# Altium PCB FD-KL-ASM-SUB-PCBA-MAIN.PcbDoc (part 4 of 4)
Units mm, origin at the board's own origin, x right, y up, seen from the top; angles counter-clockwise.
Board outline 32.6 x 105.94 mm, 4 copper layers (L1, L2, L3, L4), stack 1.514 mm thick; 339 components, 165 nets, 967 pads, 530 vias.
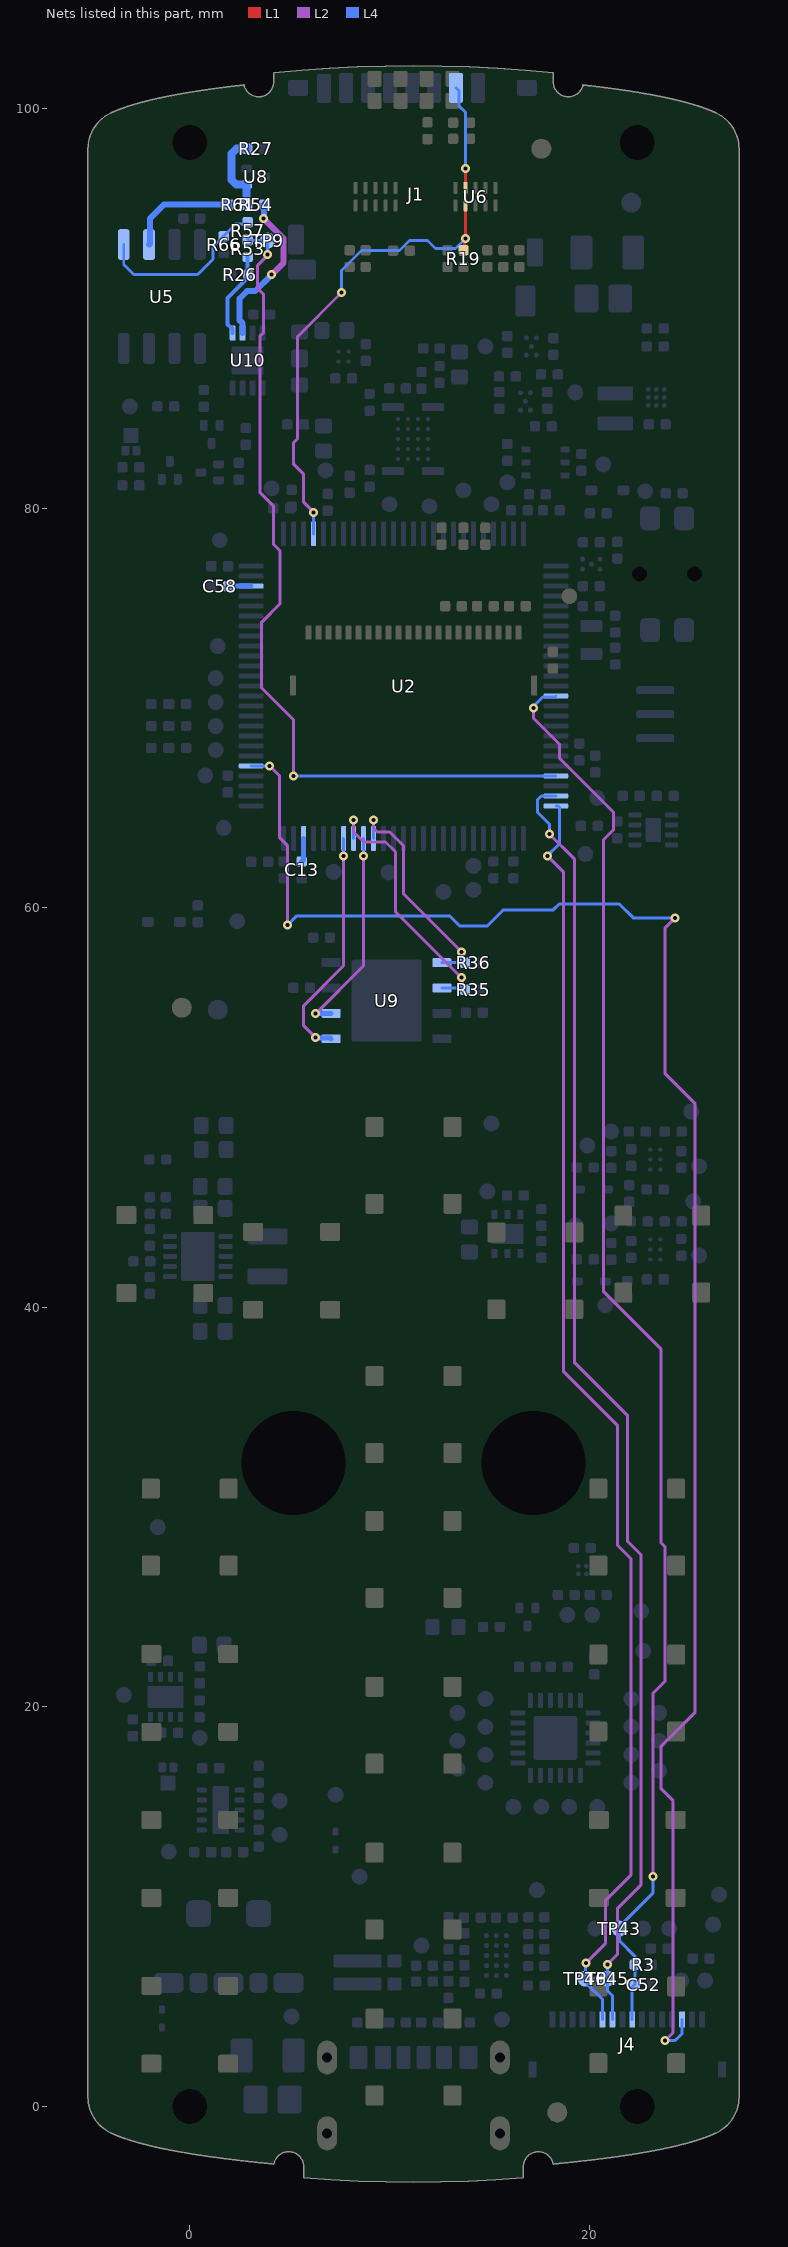
[diagram p6: the nets of this part, all layers, seen from the top]

## Via types
v1: diameter 0.45, hole 0.2, L1 to L4, tented both sides, 530 vias

## Nets (pads, with @x,y where several pads share a name; then routed paths per layer and width w, separated by ;. In a path a pad name is that pad's centre, name@x,y a point inside that pad or via, vN(x,y) a via of type N, cw(c..) or ccw(c..) an arc to the next point about the centre after c; other vN are vias at no path point) (continued)
SD_D3: J1.2 R19.2 U2.79 U6.4 U6.7 | length 30.1
  L1 w0.15: R19.2@13.7,92.92 13.75,92.97 13.75,93.45 v1(13.8,93.5) U6.7@13.8,95.16 U6.4@13.8,96.04 v1(13.8,97)
  L2 w0.15: v1(6.2,79.8) 5.7,80.3 5.7,81.7 5.2,82.2 5.2,83.293 5.4,83.493 5.4,88.6 v1(7.6,90.8)
  L4 w0.15: U2.79@6.2,78.725 v1(6.2,79.8) ; v1(7.6,90.8) 7.6,91.9 8.6,92.9 10.5,92.9 11,93.4 11.9,93.4 12.3,93 13.3,93 v1(13.8,93.5) ; J1.2@13.325,101.05 13.489,100.886 13.489,100.131 13.8,99.819 v1(13.8,97)
SE_GPIO: R27.1 R54.1 R61.1 U8.1 | length 4.1
  L4 w0.4: R61.1@2.82,95.2 2.835,95.215 U8.1@2.835,96.2 ; U8.1@2.85,96.2 2.334,96.2 2.1,96.434 2.1,97.766 2.334,98 R27.1@2.88,98
SE_GPIO_SOIC: R61.2 U5.6 | length 5.9
  L4 w0.3: U5.6@-2.035,93.2 -2,93.235 -2,94.5 -1.3,95.2 R61.2@2.08,95.2 ; R61.2@1.98,95.2 R61.2@2.18,95.2
SE_GPIO_UDFN: R54.2 U10.6 | length 8.1
  L2 w0.3: v1(3.7,94.5) 4.7,93.5 4.7,92.3 v1(4.1,91.7)
  L4 w0.3: U10.6@2.65,88.77 2.65,89.255 2.5,89.405 2.5,90.5 2.865,90.865 3.265,90.865 v1(4.1,91.7) ; v1(3.7,94.5) 3.71,94.51 3.71,95.19 R54.2@3.72,95.2
SE_SWD: R53.2 R57.2 TP9.1 U2.22 | length 42.9
  L2 w0.15: v1(3.9,92.7) 3.9,92.664 3.4,92.164 3.4,91 3.7,90.7 3.7,88.8 3.507,88.607 3.507,80.8 4.2,80.107 4.2,78.184 4.516,77.868 4.516,75.216 3.6,74.3 3.6,71 5.2,69.4 v1(5.2,66.6)
  L4 w0.15: R53.2@2.94,93.44 R57.2@2.9,93.48 2.98,93.4 TP9.1@3.9,93.4 v1(3.9,92.7) ; v1(5.2,66.6) U2.22@18.325,66.6
SE_SWD_DBG: J4.3 U2.55 | length 89.6
  L2 w0.15: v1(4,67.1) 4.5,66.6 4.5,63.502 4.9,63.102 v1(4.9,59.141) ; v1(23.8,3.3) 24.2,3.7 24.2,15.3 23.6,15.9 23.6,18.035 25.3,19.735 25.3,50.19 23.8,51.69 23.8,59 v1(24.3,59.5)
  L4 w0.15: U2.55@3.075,67.1 v1(4,67.1) ; v1(4.9,59.141) 5.359,59.6 13,59.6 13.5,59.1 14.9,59.1 15.7,59.9 18.2,59.9 18.496,60.196 21.504,60.196 22.2,59.5 v1(24.3,59.5) ; v1(23.8,3.3) 24.3,3.3 24.65,3.65 J4.3@24.65,4.35
SE_SWD_SOIC: R57.1 R66.1 U5.5 | length 8.8
  L4 w0.15: U5.5@-3.305,93.2 -3.305,92.205 -2.8,91.7 0.393,91.7 1.165,92.472 1.165,93.093 1.692,93.62 R66.1@1.7,93.62 ; R66.1@1.672,93.6 2.292,94.22 R57.1@2.892,94.22
SE_SWD_UDFN: R26.1 R53.1 U10.5 | length 4.4
  L4 w0.2: U10.5@2.15,88.77 2.15,88.995 2.1,89.045 2.055,89.045 1.9,89.2 1.9,90.536 2.77,91.407 2.77,91.53 R26.1@2.928,91.688 2.9,91.716 R53.1@2.9,92.58
SPI4_MISO: R35.1 U2.43 U9.2 | length 13.5
  L2 w0.15: v1(8.2,64.4) 8.2,63.808 8.708,63.3 9.8,63.3 10.3,62.8 10.3,59.8 v1(13.6,56.5)
  L4 w0.15: U2.43@8.2,63.475 v1(8.2,64.4) ; U9.2@12.62,55.985 13.695,55.985 13.739,55.941 R35.1@13.78,55.9 ; v1(13.6,56.5) 13.6,56.419 13.665,56.354 13.665,56.075 R35.1@13.748,55.992
SPI4_MOSI: U2.44 U9.5 | length 11.9
  L2 w0.15: v1(6.3,53.5) 5.7,54.1 5.7,55.1 7.7,57.1 v1(7.7,62.6)
  L4 w0.15: v1(7.7,62.6) U2.44@7.7,63.475
  L4 w0.25: v1(6.3,53.5) 6.328,53.472 7.053,53.472 U9.5@7.08,53.445
SPI4_NSS: R36.1 U2.41 U9.1 | length 11.5
  L2 w0.15: v1(9.2,64.4) 9.2,64 9.4,63.8 10.006,63.8 10.7,63.106 10.7,60.7 v1(13.6,57.8)
  L4 w0.15: U2.41@9.2,63.475 v1(9.2,64.4) ; U9.1@12.62,57.255 12.623,57.252 13.778,57.252 R36.1@13.78,57.25 13.657,57.373 13.657,57.743 v1(13.6,57.8)
SPI4_SCK: U2.42 U9.6 | length 10.6
  L2 w0.15: v1(6.3,54.7) 8.7,57.1 v1(8.7,62.6)
  L4 w0.15: v1(8.7,62.6) U2.42@8.7,63.475
  L4 w0.25: v1(6.3,54.7) 6.315,54.715 U9.6@7.08,54.715
SYS_RST#: C52.1 J4.8 R3.1 TP43.1 U2.14 | length 71.6
  L2 w0.15: v1(17.2,70) 17.2,69.5 18.5,68.2 18.5,67.5 21.2,64.8 21.2,63.9 20.7,63.4 20.7,40.8 23.6,37.9 23.6,28.2 23.8,28 23.8,21.293 23.2,20.693 v1(23.2,11.5)
  L4 w0.15: v1(17.2,70) 17.2,70.077 17.673,70.55 18.275,70.55 U2.14@18.325,70.6 ; J4.8@22.15,4.35 22.15,5.97 C52.1@22.28,6.1 R3.1@22.28,7.1 22.28,7.52 21.5,8.3 21.5,8.895 21.447,8.947 23.2,10.7 v1(23.2,11.5)
USART2_RX: J4.11 TP46.1 U2.25 | length 64.2
  L2 w0.15: v1(17.9,62.6) 18.7,61.8 18.7,36.8 21.4,34.1 21.4,28.1 22.1,27.4 22.1,11.6 20.8,10.3 20.8,8.144 v1(19.828,7.172)
  L4 w0.15: v1(17.9,62.6) 18.5,63.2 18.5,65.05 18.45,65.1 U2.25@18.325,65.1 ; v1(19.828,7.172) 19.814,7.158 19.814,6.238 19.8,6.224 20.004,6.02 20.65,5.374 J4.11@20.65,4.35
USART2_TX: J4.10 TP45.1 U2.24 | length 65.1
  L2 w0.15: v1(18,63.7) 19.25,62.45 19.25,37.25 21.9,34.6 21.9,28.3 22.6,27.6 22.6,11.1 21.4,9.9 21.4,7.6 v1(20.9,7.1)
  L4 w0.15: v1(18,63.7) 18,64.2 17.4,64.8 17.4,65.4 17.597,65.597 18.322,65.597 U2.24@18.325,65.6 ; TP45.1@20.9,6.4 20.9,5.8 21.15,5.55 J4.10@21.15,4.35 ; v1(20.9,7.1) 20.9,6.5 TP45.1@21,6.4
VCAP1: C13.1 U2.48 | length 1.2
  L4 w0.25: C13.1@5.6,62.32 5.7,62.42 U2.48@5.7,63.475
VCAP2: C58.1 U2.73 | length 1.2
  L4 w0.25: C58.1@1.92,76.1 U2.73@3.075,76.1
pads on no net: FID1.0 FID2.0 FID3.0 FID4.0 FID5.0 FID6.0 J2.4 J2.5 J2.7 J2.8 J2.16 J3.2 J3.4 J3.5 J3.6 J3.7 J4.12 SW1.3 SW2.4 SW3.4 SW4.4 SW5.4 SW6.4 SW7.4 SW8.4 SW9.4 SW10.4 SW11.4 SW12.4 SW13.4 SW14.4 SW15.4 SW16.3 SW17.4 SW18.4 SW19.5 SW19.6 U2.7 U2.17 U2.18 U2.32 U2.33 U2.52 U2.53 U2.68 U2.69 U2.70 U2.71 U2.81 U2.82 U2.85 U2.86 U2.87 U2.88 U5.1 U5.2 U5.3 U5.7 U7.5 U7.6 U10.1 U10.2 U10.3 U10.7 U12.2 U27.B2 U32.1 U32.3
copper on no net: | length 45.9
  L4 w0.2: 16.859,55.653 ccw(c20.402,55.68) 16.876,55.335 ccw(c20.437,55.684) 16.913,55.067 ccw(c20.473,55.69) 16.961,54.836 ccw(c20.508,55.698) 17.016,54.633 ccw(c20.544,55.709) 17.077,54.451 19.771,59.117 ccw(c20.416,55.485) 19.595,59.082 ccw(c20.408,55.52) 19.386,59.027 ccw(c20.397,55.555) 19.156,58.952 ccw(c20.385,55.589) 18.902,58.848 ccw(c20.37,55.622) 18.613,58.7 ccw(c20.331,55.683) 17.324,57.419 ccw(c20.326,55.685) 16.88,56.061 ccw(c20.366,55.68) 16.859,55.653 ; 17.665,53.434 ccw(c20.49,55.81) 17.791,53.292 ccw(c20.463,55.785) 17.938,53.143 ccw(c20.438,55.759) 18.114,52.986 ccw(c20.414,55.731) 18.328,52.819 ccw(c20.393,55.701) 18.593,52.647 ccw(c20.359,55.636) 20.359,52.164 ccw(c20.36,55.63) 21.76,52.46 ccw(c20.343,55.67) 22.113,52.64 ccw(c20.326,55.701) 22.38,52.812 ccw(c20.305,55.73) 22.595,52.978 ccw(c20.282,55.758) 22.774,53.137 ccw(c20.257,55.784) 22.924,53.288 ccw(c20.23,55.81) 23.054,53.434 17.665,53.434 ; 17.728,54.153 20.11,58.279 20.11,54.153 17.728,54.153 ; 20.947,59.117 cw(c20.303,55.486) 21.139,59.078 cw(c20.312,55.522) 21.345,59.024 cw(c20.322,55.557) 21.575,58.948 cw(c20.334,55.591) 21.828,58.843 cw(c20.349,55.623) 22.114,58.695 cw(c20.367,55.654) 22.45,58.476 cw(c20.393,55.688) 23.394,57.419 cw(c20.388,55.683) 23.859,55.632 cw(c20.314,55.68) 23.841,55.317 cw(c20.278,55.684) 23.803,55.051 cw(c20.242,55.69) 23.754,54.82 cw(c20.206,55.699) 23.698,54.618 cw(c20.172,55.71) 23.641,54.451 20.947,59.117

## Polygon pours and split planes (outlines as drawn)
+VBAT on L4 "+VBAT_L04_P000" (solid, pour order 0): 9.6,19.8 11.9,17.5 11.9,15.8 14.9,12.8 14.9,9.2 14.3,9.2 14.3,10.375 12.2,10.375 12.2,11 9.8,11 9.8,15.1 7,17.9 0.9,17.9 0.9,15.7 0.3,15.7 0.3,16.7 -1,16.7 -1,18.1 -0.9,18.2 -0.9,18.9 -0.6,19.2 -0.6,19.8
+2V8 on L4 "+2V8_L04_P066" (solid, pour order 66): 7.8,87.5 7.8,87.2 8.3,87.2 9,87.2 9,87.6 8.4,87.6 8.3,87.5
+2V8_CAM_DVDD_FET on L4 "+2V8_CAM_DVDD_FET_L04_P065" (solid, pour order 65): 7.5,87.112 7.6,87.212 7.6,87.5 7.3,87.5 7.2,87.4 7,87.4 7,86.5 7.5,86.5
PS_3V0_FB on L4 "PS_3V0_FB_L04_P064" (solid, pour order 64): -1.6,43.6 -1.4,43.4 -0.9,43.4 -0.9,45 -2.4,45 -2.4,43.6
GND on L4 "GND_L04_P036" (solid, pour order 36): 4.8,87.6 3.9,86.7 1.3,86.7 1.3,88.1 4.8,88.1
GND on L4 "GND_L04_P063" (solid, pour order 63): 12,87.5 12,88.3 9.7,88.3 9.7,87.206 8.7,86.206 8.7,85.3 9.629,85.3 9.629,85 10.8,85 10.8,85.5 10.3,85.5 10.3,86.5 11.9,86.5 11.9,86.8 12.8,86.8 12.8,87.5
+DCMI_DOVDD on L4 "+DCMI_DOVDD_L04_P061" (solid, pour order 61): 6.3,83.3 7.2,83.3 7.3,83.2 7.3,82.9 8,82.2 9.4,82.2 9.4,81.8 9.2,81.6 8.7,81.6 8.4,81.3 6.3,81.3
GND_EARTH_SD on L4 "GND_EARTH_SD_L04_P056" (solid, pour order 56): 16.2,101.217 17.483,101.217 20.5,98.2 20.5,89.7 17.9,89.7 17.9,91.9 17.1,91.9 17.1,97.1 16.2,98
PS_3V0_L1 on L4 "PS_3V0_L1" (solid, pour order 55): 1.4,41.9 1.4,42.2 2.2,42.2 2.4,42.4 5.1,42.4 5.1,41.1 2.9,41.1 2.9,41.4 2.4,41.9 2.1,41.9
PS_3V0_L2 on L4 "PS_3V0_L2_L04_P054" (solid, pour order 54): 1.4,43.2 1.4,42.9 2.2,42.9 2.4,42.7 5.1,42.7 5.1,44 2.9,44 2.9,43.7 2.4,43.2 2.1,43.2
NOISE_FB on L4 "NOISE_FB_L04_P050" (solid, pour order 50): 16.4,42.9 16.7,42.9 16.8,42.8 18.2,42.8 18.2,44.7 18.7,45.2 18.7,47.3 19.7,47.3 19.7,46.3 20.298,45.702 20.298,43.398 19.7,42.8 19.7,41 16.4,41
GND on L4 "GND_L04_P049" (solid, pour order 49): 1.4,1.8 -4.9,1.8 -4.9,4.3 -4.8,4.2 3.908,4.2 3.908,-0.6 1.4,-0.6
GND_EARTH_USB on L4 "GND_EARTH_USB_L04_P048" (solid, pour order 48): 4.4,-0.6 6.3,-2.5 7.6,-2.5 7.6,0 7.1,0 7.1,1.5 7.4,1.8 7.4,3.5 4.4,3.5
GND on L4 "GND_L04_P046" (solid, pour order 46): 23.5,83.9 23.5,84.8 23.6,84.9 23.6,86 23.8,86.2 23.8,87.525 23.428,87.897 23.428,89.4 24.905,89.4 24.905,83.9
+2V8 on L4 "+2V8_L04_P045" (solid, pour order 45): 24,82.2 24,83.7 23.3,83.7 23.3,84.8 23.5,85 23.5,85.3 22.8,85.3 22.1,84.6 20.405,84.6 20.405,83.595 21.8,82.2
PS_5V0_L on L4 "PS_5V0_L_L04_P044" (solid, pour order 44): 22.2,85.4 22.2,86.5 22,86.7 20.1,86.7 20.1,85.4
+5V0 on L4 "+5V0_L04_P043" (solid, pour order 43): 23.198,88.6 23.2,88.602 23.2,89.4 17.9,89.4 17.9,88.2 18.7,88.2 18.7,85.5 19,85.2 19,84.6 19.9,84.6 19.9,86.9 22.1,86.9 22.4,86.6 22.4,85.4 23.1,85.4 23.1,86 22.9,86.2 22.9,87.6 23.198,87.898
GND on L4 "GND_L04_P040" (solid, pour order 40): 20.9,89.7 22.8,89.7 23.4,90.3 23.4,94.1 20.9,94.1
+2V8 on L4 "+2V8_L04_P035" (solid, pour order 35): 11.5,99.5 11.5,99.1 12.2,98.4 12.2,98.2 13,98.2 13,99.4 11.7,100.7 11.7,101.8 10.7,101.8 10.7,100.3
GND on L4 "GND_L04_P034" (solid, pour order 34): 8.5,101.8 9.3,101.8 9.3,99.7 9.3,99.3 8.3,99.3 8.3,99.7 8.5,99.9
GND on L4 "GND_L04_P032" (solid, pour order 32): 21.9,63.8 21.9,63.1 22.4,62.6 24.5,62.6 24.5,63.3 23.8,63.3 23.6,63.5 23.6,65.2 23.7,65.3 23.7,66.5 22.2,66.5 22.2,65.3 22.8,65.3 22.8,63.8
+2V8 on L4 "+2V8_L04_P031" (solid, pour order 31): 23.8,64.5 25.1,64.5 25.1,65.7 24.9,65.9 23.9,65.9 23.9,65.1 23.8,65
+VBUS on L4 "+VBUS_L04_P028" (solid, pour order 28): -1.7,46.9 -1.7,57.1 -1.2,57.6 -1.2,59.8 -0.3,60.7 -0.3,67.3 -2.505,67.3 -2.505,80.005 -3.1,80.6 -3.1,83.1 -4.8,83.1 -4.8,41.5 -3.4,41.5 -3.4,43.7 -2.7,44.4 -2.7,46.9
NOISE_LX on L4 "NOISE_LX_L04_P025" (solid, pour order 25): 13.5,42.3 15.4,42.3 15.4,43 14.6,43 14.4,43.2 13.5,43.2
GND on L4 "GND_L04_P024" (solid, pour order 24): 16.8,44.2 17,44.4 17.9,44.4 17.9,43 16.8,43 16.7,43.1 15,43.1 15,44.2
GND on L4 "GND_L04_P023" (solid, pour order 23): 16.4,45.3 17.2,45.3 17.7,45.8 17.7,46.5 16.4,46.5
GND on L4 "GND_L04_P021" (solid, pour order 21): 18.8,3.259 18.8,4.759 17.9,4.759 17.5,4.359 17.5,3.259
+2V8 on L4 "+2V8_L04_P020" (solid, pour order 20): 19,3.3 19,5.4 19.8,5.4 19.8,3.3
+VIN on L4 "+VIN_L04_P010" (solid, pour order 10): -5.1,17 -2.9,17 -2.9,17.8 -2.6,18.1 -2.6,18.8 -3.1,18.8 -4,19.7 -4,22.1 -3.2,22.9 -1.6,22.9 -1.6,23.8 -0.6,23.8 -0.6,21.2 -0.3,21.2 0.2,21.7 0.9,21.7 0.9,24.3 1.8,24.3 1.8,34.1 3,35.3 3,39.8 2.214,40.586 2.214,41.7 1.4,41.7 1.4,37.5 -0.7,37.5 -0.7,40.4 -1.7,40.4 -1.7,41 -5.1,41
+2V5_VREF on L4 "+2V5_VREF_L04_P019" (solid, pour order 19): 22,65.9 22,65.1 22.605,65.1 22.605,64 20.897,64 20.897,65 20,65 20,65.9 18.9,67 17.7,67 17.7,67.7 19.8,67.7 19.8,67.3 20,67.1 20.6,67.1 21.8,65.9
+2V8 on L4 "+2V8_L04_P018" (solid, pour order 18): -2.392,45.2 -0.793,45.2 -0.793,46.6 -2.392,46.6
GND on L4 "GND_L04_P016" (solid, pour order 16): 20.6,73.4 21.1,73.9 22,73.9 22,72.7 21.1,72.7 20.6,73.2
GND on L4 "GND_L04_P015" (solid, pour order 15): -0.5,46.9 -1.5,46.9 -1.5,50.6 1.1,50.6 1.1,44 1.2,43.9 1.2,41.3 1.2,37.7 -0.5,37.7 -0.5,43.8
+2V8 on L4 "+2V8_L04_P014" (solid, pour order 14): 10.1,44.5 11,43.6 14.5,43.6 14.5,45.6 15.4,45.6 15.7,45.3 15.7,44.4 16.1,44.4 16.1,45.2 16.2,45.3 16.2,50 9.6,50 9,50.6 1.5,50.6 1.5,43.4 2.3,43.4 2.6,43.7 2.6,44.5
GND on L4 "GND_L04_P013" (solid, pour order 13): 2.18,20 2.18,22.4 3.3,22.4 3.3,24.1 1.1,24.1 1.1,21.5 0.3,21.5 -0.1,21.1 -1.3,21.1 -1.3,21.7 -1.6,22 -1.6,22.6 -2.2,22.6 -2.7,22.1 -2.7,19.8 -2.2,19.8 -2,20
GND on L4 "GND_L04_P008" (solid, pour order 8): 1.1,13.6 0.8,13.3 0.8,11.9 2.1,11.9 2.1,13.4 2,13.5 2,16.2 2.5,16.7 3.8,16.7 3.8,17.7 1.1,17.7
GND on L4 "GND_L04_P007" (solid, pour order 7): 9.4,10.6 9.4,13.1 5.9,13.1 5.9,7.35 6.35,6.9 9.6,6.9 9.6,7.8 10.5,7.8 11.8,9.1 11.8,10.6
GND on L4 "GND_L04_P006" (solid, pour order 6): 8.9,0.3 7.4,0.3 7.4,1.3 7.7,1.6 7.7,3.9 7.5,4.1 7.5,4.5 8.7,4.5 8.7,3.4 8.9,3.2
GND on L4 "GND_L04_P005" (solid, pour order 5): 13.5,0.1 15,0.1 15,1.3 14.7,1.6 14.7,3.9 14.9,4.1 14.9,4.5 13.7,4.5 13.7,3.4 13.5,3.2
+VBUS on L4 "+VBUS_L04_P004" (solid, pour order 4): 10.1,3 10.1,1.6 12.3,1.6 12.3,3 13.2,3 13.2,-0.2 14.5,-0.2 14.5,-2.5 7.9,-2.5 7.9,0 9.3,0 9.3,3
+VBUS on L4 "+VBUS_L04_P003" (solid, pour order 3): 2.6,16.5 2.2,16.1 2.2,15.7 3,15.7 3.2,15.9 5.2,15.9 5.2,13.5 9.4,13.5 9.4,15.202 6.902,17.7 4,17.7 4,16.5
GND_PACK on L4 "GND_PACK_L04_P002" (solid, pour order 2): 4.2,3.8 7.1,3.8 7.1,4.8 9.7,4.8 9.7,6.6 5.9,6.6 5.7,6.8 4.2,6.8
+VPACK on L4 "+VPACK_L04_P001" (solid, pour order 1): -0.3,4.6 -0.3,8.7 -0.5,8.9 -0.5,10.3 0.5,11.3 0.5,13.5 0.6,13.6 0.9,13.6 0.9,14 -0.6,14 -0.6,16.6 -5.1,16.6 -5.1,4.6
GND on L1 "GND_L01_P026" (solid, pour order 26): 1181 vertices, not listed, extent -5.1,-3.79 27.5,102.146
+2V8 on L1 "+2V8_L01_P011" (solid, pour order 11): 13.8,73.8 13.8,73.4 14.6,73.4 14.6,73.6 14.6,74.5 14.7,74.6 14.7,75.8 13.3,75.8 13.3,74.7 13.8,74.2 13.8,73.9
GND on L3 "GND_L03_P027" (solid, pour order 27): 17.781,71.919 17.781,70.869 17.8,70.85 18.85,70.85 22,67.7 24.4,67.7 24.8,68.1 24.8,71.3 24.3,71.8 22.5,71.8 22.2,72.1 22.2,75.3 21.8,75.7 19.9,75.7 18.1,73.9 17,73.9 17,72.977 17.777,72.2 17.777,71.923
PS_5V0_L on L3 "PS_5V0_L_L03_P030" (solid, pour order 30): 20.3,85.8 23.8,85.8 23.8,87.8 20.3,87.8
+VBUS on L3 "+VBUS_L03_P057" (solid, pour order 57): 1181 vertices, not listed, extent -5.1,-3.79 27.5,102.146
+2V8 on L3 "+2V8_L03_P042" (solid, pour order 42): 870 vertices, not listed, extent -5.1,-2.888 27.5,102.146
GND_EARTH_SD on L2 "GND_EARTH_SD_L02_P053" (solid, pour order 53): 5.2,100.2 5.2,96.2 4.988,96 4.988,94.238 17.3,94.238 17.3,92.1 18.6,92.1 18.6,96.5 15.9,99.2 12.1,99.2 9.4,96.5 7.4,96.5 7.4,97.6 5.9,99.1 5.9,100.2
GND_EARTH_USB on L2 "GND_EARTH_USB_L02_P047" (solid, pour order 47): 5.4,-1.4 6.751,-2.751 15.649,-2.751 16.1,-2.3 16.1,3 15.7,3.4 6.7,3.4 5.4,2.1
+2V8 on L2 "+2V8_L02_P029" (solid, pour order 29): 5.5,7.6 4.2,7.6 2.9,8.9 2.9,17.9 5.9,20.9 5.9,23.3 6.5,23.9 8.2,23.9 8.8,23.3 8.8,20 6.7,17.9 6.7,13.8 6.7,11.817 6.8,11.717 6.8,8.4 6.1,7.7

## Other copper
L1:
  pour cut-out: 0,-1.903 cw(c0,0) -1.903,0 cw(c0,0) 0,1.903 cw(c0,0) 1.903,0 cw(c0,0)
  pour cut-out: 22.4,-1.903 cw(c22.4,0) 20.497,0 cw(c22.4,0) 22.4,1.903 cw(c22.4,0) 24.303,0 cw(c22.4,0)
  pour cut-out: 22.4,96.397 cw(c22.4,98.3) 20.497,98.3 cw(c22.4,98.3) 22.4,100.203 cw(c22.4,98.3) 24.303,98.3 cw(c22.4,98.3)
  pour cut-out: 0,96.397 cw(c0,98.3) -1.903,98.3 cw(c0,98.3) 0,100.203 cw(c0,98.3) 1.903,98.3 cw(c0,98.3)
  text "L1 - PRIMARY SIDE" at -2.398,109.624 h1
L2:
  pour cut-out: 0,-1.903 cw(c0,0) -1.903,0 cw(c0,0) 0,1.903 cw(c0,0) 1.903,0 cw(c0,0)
  pour cut-out: 22.4,-1.903 cw(c22.4,0) 20.497,0 cw(c22.4,0) 22.4,1.903 cw(c22.4,0) 24.303,0 cw(c22.4,0)
  pour cut-out: 22.4,96.397 cw(c22.4,98.3) 20.497,98.3 cw(c22.4,98.3) 22.4,100.203 cw(c22.4,98.3) 24.303,98.3 cw(c22.4,98.3)
  pour cut-out: 0,96.397 cw(c0,98.3) -1.903,98.3 cw(c0,98.3) 0,100.203 cw(c0,98.3) 1.903,98.3 cw(c0,98.3)
  text "L2 - SIGNAL" at -2.398,109.624 h1
L3:
  text "L3 - POWER" at -2.398,109.624 h1
L4:
  region: 18.114,52.986 ccw(c20.415,55.731) 18.328,52.819 ccw(c20.393,55.701) 18.593,52.647 ccw(c20.359,55.636) 20.359,52.164 ccw(c20.36,55.63) 21.76,52.46 ccw(c20.343,55.67) 22.113,52.64 ccw(c20.325,55.701) 22.38,52.812 ccw(c20.305,55.731) 22.595,52.978 ccw(c20.283,55.757) 22.774,53.137 ccw(c20.258,55.783) 22.924,53.288 ccw(c20.231,55.808) 23.054,53.434 17.665,53.434 ccw(c20.491,55.811) 17.791,53.292 ccw(c20.466,55.787) 17.938,53.143 ccw(c20.438,55.758)
  region: 21.828,58.843 cw(c20.35,55.624) 22.114,58.695 cw(c20.368,55.655) 22.45,58.476 cw(c20.393,55.688) 23.394,57.419 cw(c20.388,55.683) 23.859,55.632 cw(c20.316,55.68) 23.841,55.317 cw(c20.279,55.684) 23.803,55.051 cw(c20.245,55.69) 23.754,54.82 cw(c20.21,55.698) 23.698,54.618 cw(c20.174,55.709) 23.641,54.451 20.947,59.117 cw(c20.305,55.493) 21.139,59.078 cw(c20.311,55.521) 21.345,59.024 cw(c20.322,55.559) 21.575,58.948 cw(c20.334,55.59)
  region: 16.961,54.836 cw(c20.474,55.69) 16.913,55.067 cw(c20.437,55.683) 16.876,55.335 cw(c20.401,55.68) 16.859,55.653 cw(c20.366,55.68) 16.88,56.061 cw(c20.326,55.685) 17.324,57.419 cw(c20.331,55.683) 18.613,58.7 cw(c20.37,55.622) 18.902,58.848 cw(c20.384,55.591) 19.156,58.952 cw(c20.397,55.555) 19.386,59.027 cw(c20.408,55.52) 19.595,59.082 cw(c20.416,55.486) 19.771,59.117 17.077,54.451 cw(c20.543,55.709) 17.016,54.633 cw(c20.507,55.698)
  region: 17.728,54.153 20.11,54.153 20.11,58.279
  text "L4 - SECONDARY SIDE" at -2.398,109.624 h1

## Silkscreen, mask and mechanical layers (free items; w line width, h text height)
Top Overlay:
  drawing of 27 lines, arcs and shapes, not listed
  text "TOP OVERLAY" at -2.398,109.624 h1
  text "REV: '.PCB_REV'" at -3.249,94.5 h1
Bottom Overlay:
  text "BOTTOM OVERLAY" at -2.398,109.624 h1
Top Paste:
  text "TOP PASTE" at -2.398,109.624 h1
Bottom Paste:
  text "BOTTOM PASTE" at -2.398,109.624 h1
Top Solder:
  text "TOP SOLDERMASK" at -2.398,109.624 h1
Bottom Solder:
  text "BOTTOM SOLDERMASK" at -2.398,109.624 h1
Board:
  drawing of 1201 lines, arcs and shapes, not listed
Route Tool Path:
  text "BOARD ROUTE" at -2.398,109.624 h1
Dimensions:
  text "DIMENSIONS" at -2.398,109.624 h1
Fab Notes:
  drawing of 6579 lines, arcs and shapes, not listed
  text "1" at -32.301,336.529 h5.08
  text "2" at 56.449,336.529 h5.08
  text "3" at 140.449,336.529 h5.08
  text "4" at 221.699,336.529 h5.08
  text "6" at 391.699,336.529 h5.08
  text "5" at 305.949,336.279 h5.08
  text "REVISIONS" at 344.949,331.149 h3
  text "DESCRIPTION" at 326.449,326.649 h2
  text "DATE" at 389.449,326.649 h2
  text "APPROVED" at 407.949,326.649 h2
  text "REV" at 281.849,326.349 h2
  text "NOTES: (UNLESS OTHERWISE SPECIFIED)" at -57.541,323.344 h2.54
  text "M. Beach" at 406.549,321.449 h2
  text "A1" at 282.652,321.274 h2
  text "Release for Production." at 290.949,321.149 h2
  text "11/22/2021" at 383.449,321.149 h2
  text "Added and adjusted some test-points." at 290.949,316.735 h2
  text "M. Beach" at 406.549,316.369 h2
  text "1. THIS DRAWING SPECIFIES THE REQUIREMENTS FOR A PRINTED CIRCUIT BOARD" at -57.541,316.344 h2.54
  text "A2" at 282.652,316.194 h2
  text "11/29/2021" at 383.449,316.069 h2
  text "IN ACCORDANCE WITH SPECIFICATION IPC-6012 CLASS 2 (LATEST REVISION)." at -54.541,312.344 h2.54
  text "Added U1 LDO, C87-89, TP85. Removed R1, C1." at 290.949,311.655 h2
  text "M. Beach" at 406.549,311.289 h2
  text "A3" at 282.652,311.114 h2
  text "12/11/2021" at 383.449,310.989 h2
  text "2. THE PCB MUST BE LEAD FREE ASSEMBLY PROCESS COMPATIBLE AND MUST BE ABLE TO HANDLE" at -57.541,306.344 h2.54
  text "A MINIMUM OF 5 CYCLES AT 260 DEGREES CELSIUS FOR 10 SECONDS." at -54.541,302.344 h2.54
  text "3. BASE MATERIAL - LAMINATE AND PREPREG SHALL MEET IPC-4101E/124 or /129" at -57.541,296.344 h2.54
  text "A" at -71.781,293.619 h6.35
  text "A" at 428.599,293.619 h6.35
  text "- TG: MUST BE GREATER THAN OR EQUAL TO 150 DEGREES CELSIUS." at -54.541,292.344 h2.54
  text "- TD: MUST BE GREATER THAN OR EQUAL TO 325 DEGREES CELSIUS." at -54.541,288.344 h2.54
  text "4. COPPER FOIL WEIGHT -  SEE STACKUP DETAIL 'A'" at -57.541,282.344 h2.54
  text "- PCB MANUFACTURER CAN REQUEST AN ALTERNATE STACKUP" at -54.541,278.344 h2.54
  text "- ALTERNATE STACKUP MUST BE APPROVED IN WRITING BY FOUNDATION DEVICES" at -54.541,274.344 h2.54
  text "5. MINIMUM CONDUCTIVE WIDTH/SPACING TO BE 0.1mm/0.1mm" at -57.541,268.844 h2.54
  text "6. PLATING FINISH: ENIG" at -57.541,262.844 h2.54
  text "7. SOLDERMASK - TO MEET THE REQUIRMENTS OF IPC-SM-840E (OR LATEST REVISION)." at -57.541,256.844 h2.54
  text "- BLACK COLOR. BOTH SIDES." at -54.541,252.844 h2.54
  text "- SOLDERMASK ON SOLDERABLE SURFACES IS PROHIBITED." at -54.541,248.844 h2.54
  text "- ALL CIRCUITRY DEFINED AS COVERED SHALL NOT BE EXPOSED." at -54.541,244.844 h2.54
  text "8. SILKSCREEN - WHITE EPOXY OR ACRYLIC INK. BOTH SIDES. NO SILKSCREEN ON ANY EXPOSED COPPER FEATURE." at -57.541,238.844 h2.54
  text "9. REMOVE ALL NON-FUNCTIONAL INNER LAYER PADS." at -57.541,232.844 h2.54
  text "10. ELECTRICAL TEST - 100% IPCD356." at -57.541,226.844 h2.54
  text "11. DFM CHECK MUST BE RUN ON BOARD DATA BEFORE BUILDING BOARDS." at -57.541,220.844 h2.54
  text "- UNLESS PRIOR APPROVAL IS GIVEN IN WRITING BY FOUNDATION." at -54.541,216.844 h2.54
  text "12. TEARDROPS MAY BE ADDED AT THE FAB HOUSE TO ALL SIGNAL LAYERS." at -57.541,210.844 h2.54
  text "13. VIA TENTING - ALL VIAS ON BOTH SIDES MUST HAVE TENTING." at -57.541,204.844 h2.54
  text "14. FINISHED PCB THICKNESS IS CRITICAL: FROM L1 PAD TO L4 PAD TO BE 62mil +/- 10%" at -57.541,199.344 h2.54
  text "B" at -71.781,198.369 h6.35
  text "B" at 428.599,198.369 h6.35
  text "15. TWO SOLDER SAMPLES TO BE PROVIDED." at -57.541,193.344 h2.54
  text "16. SUPPLIER MARKINGS - ON SECONDARY SIDE ONLY." at -57.541,187.344 h2.54
  text "- MUST BE UL RECOGNIZED AND MUST HAVE AN ID THAT CONFORMS TO UL94V-0" at -54.541,183.344 h2.54
  text "17. FINISHED PCB MUST BE PANELIZED FOR ASSEMBLY ACCORDING TO CONTRACT MANUFACTURER'S REQUIREMENTS." at -57.541,176.844 h2.54
  text "18. MOUNTING HOLES WITH DIAMETER 1.75mm TO HAVE COUNTERSINKS ON PRIMARY SIDE." at -57.541,169.344 h2.54
  text "- LOCATIONS AND DIMENSIONS SHOW BY 'DETAIL B'." at -54.541,164.344 h2.54
  text "19. CAMERA PIN-A1 LOCATION SHOWN IN 'DETAIL C'." at -57.3,157.7 h2.54
  text "Layer Stack-Up (Detail A)" at 105.302,105.058 h2.2
  text "C" at -71.781,103.119 h6.35
  text "C" at 428.599,103.119 h6.35
  text "Layer" at 105.302,102.403 h0.9
  text "Gerber" at 141.604,102.403 h0.9
  text "Copper" at 154.919,102.403 h0.9
  text "Insulator" at 169.705,102.403 h0.9
  text "Name" at 105.302,100.603 h0.9
  text "Document" at 141.604,100.603 h0.9
  text "Thickness" at 154.919,100.603 h0.9
  text "Thickness" at 169.705,100.603 h0.9
  text "Detail B" at -14.3,100.4 h1
  text "Detail B" at 29,100.4 h1
  text "Top Solder Mask" at 105.302,98.07 h1.25
  text "(.GTS)" at 141.604,98.07 h1.25
  text "0.5oz Plated Copper Foil" at 109.302,94.524 h1.25
  text "L1" at 105.302,94.483 h1.25
  text "(.GTL)" at 141.604,94.483 h1.25
  text "2.0mil" at 154.919,94.483 h1.25
  text "3.34mil" at 169.705,92.689 h1.25
  text "Detail C" at 62.1,91.2 h2
  text "1.0oz Copper" at 109.302,91.024 h1.25
  text "L2" at 105.302,90.896 h1.25
  text "(.G1)" at 141.604,90.896 h1.25
  text "1.3mil" at 154.919,90.896 h1.25
  text "46.72mil" at 169.705,89.102 h1.25
  text "1.0oz Copper" at 109.302,87.524 h1.25
  text "L3" at 105.302,87.308 h1.25
  text "(.G2)" at 141.604,87.308 h1.25
  text "1.3mil" at 154.919,87.308 h1.25
  text "Pin A1" at 89.85,87.25 h0.8
  text "3.34mil" at 169.705,85.515 h1.25
  text "L4" at 105.302,83.721 h1.25
  text "(.GBL)" at 141.604,83.721 h1.25
  text "2.0mil" at 154.919,83.721 h1.25
  text "SMT Tab" at 52.1,83.6 h0.8
  text "0.5oz Plated Copper Foil" at 109.302,83.524 h1.25
  text "Bottom Solder Mask" at 105.302,80.024 h1.25
  text "(.GBS)" at 141.302,80.024 h1.25
  text "Total Board Thickness:" at 105.302,75.524 h1.25
  text "62mil" at 154.919,75.221 h1.25
  text "0.75mm" at 51.2,65.8 h1
  text "90deg" at 84.7,65.333 h1
  text "Detail B" at 116.5,53.9 h2
  text "1.75mm" at 99.4,40.7 h1
  text "LICENCE: CERN-OHL-S-2.0 /  / SPDX-FileCopyrightText: 2021 Foundation Devices, Inc. <hello@foundationdevices.com> / SPDX-License-Identifier: CERN-OHL-S-2.0 /  / You may redistribute and modify this source and make products using it  / under the terms of the CERN-OHL-S v2 (https://ohwr.org/cern_ohl_s_v2.txt). /  / This source is distributed WITHOUT ANY EXPRESS OR IMPLIED WARRANTY,  / INCLUDING OF MERCHANTABILITY, SATISFACTORY QUALITY AND FITNESS FOR A  / PARTICULAR PURPOSE. Please see the CERN-OHL-S v2 for applicable conditions. /  / Source location: foundationdevices.com/passport-electronics /  / As per CERN-OHL-S v2 section 4, should You produce hardware based on this  / source, You must where practicable and applicable maintain the Source Location  / visible (1) on the packaging of the hardware, (2) on the circuit board(s) via  / silkscreen or copper, (3) in any documentation, and (4) on other products you / make using this source." at 202.402,16.524 h2.54
  text "D" at -71.781,6.599 h6.35
  text "D" at 428.599,6.599 h6.35
  text "Foundation Devices Inc." at 380.074,3.649 h2
  text "DRAWN BY" at 287.049,2.349 h2
  text "6 Liberty Square #6018" at 380.074,-0.085 h2
  text "FOUNDATION" at 318.308,-1.651 h6
  text "'.PCB_ENGINEER'" at 290.849,-2.051 h2
  text "Detail B" at -15.2,-3 h1
  text "Detail B" at 29.1,-3.1 h1
  text "Boston, MA 02109" at 380.074,-3.685 h2
  text "PCB PART NUMBER:" at 317.409,-9.051 h2
  text "CHECKED BY" at 286.349,-9.451 h2
  text "'.PCB_CHECKER'" at 291.349,-13.451 h2
  text "'.PCB_PART_NUMBER'" at 317.549,-13.851 h3
  text "SIZE" at 317.049,-18.851 h2
  text "DATE:" at 329.049,-18.851 h2
  text "VARIANT:" at 382.051,-18.851 h2
  text "REV" at 419.049,-18.851 h2
  text "APPROVED ON" at 286.349,-19.751 h2
  text "'.ModifiedDate'" at 346.549,-22.351 h3
  text "'.VariantName'" at 389.17,-23.25 h2
  text "C" at 320.143,-23.681 h3
  text "'.PCB_REV'" at 419.652,-23.726 h3
  text "'.PCB_CHECKER_APP_DATE'" at 291.349,-23.751 h2
  text "SCALE: 1/1" at 317.409,-29.371 h2
  text "DO NOT SCALE DRAWING" at 340.269,-29.371 h2
  text "SHEET" at 383.199,-29.351 h2
  text "1" at 399.449,-29.351 h2
  text "OF" at 407.449,-29.351 h2
  text "1" at 419.199,-29.351 h2
  text "1" at -32.301,-36.851 h5.08
  text "2" at 56.449,-36.851 h5.08
  text "3" at 140.449,-36.851 h5.08
  text "4" at 221.699,-36.851 h5.08
  text "6" at 391.699,-36.851 h5.08
  text "5" at 305.949,-37.101 h5.08
Title Block:
  lines w0.1: -9.498,108.624 31.977,108.624 ; -9.498,111.624 31.977,111.624 ; 1.502,105.624 1.502,108.624 ; 19.502,105.624 19.502,108.624 ; 31.977,108.524 31.977,118.524 -9.498,118.524 -9.498,117.524 -9.498,114.624 ; -9.498,114.624 -9.498,112.124 -9.498,105.624 31.977,105.624 31.977,114.624 -6.998,114.624 -9.498,114.624
  text "FOUNDATION DEVICES" at -6.826,115.624 h2
  text "PCB PART NUMBER:" at -8.398,112.724 h1
  text "'.PCB_PART_NUMBER'" at 8.499,112.599 h1
  text "LAYER:" at -8.398,109.724 h1
  text "'.VariantName'" at 8.602,106.974 h0.75
  text "REVISION:" at -8.398,106.724 h0.75
  text "'.PCB_REV'" at -1.398,106.724 h0.75
  text "VARIANT:" at 2.602,106.724 h0.75
  text "DATE:" at 20.602,106.724 h0.75
  text "'.ModifiedDate'" at 24.602,106.724 h0.75
Board Mech DWG:
  drawing of 1211 lines, arcs and shapes, not listed
Comp Mech DWG:
  drawing of 2388 lines, arcs and shapes, not listed
  text "SCALE 1.000" at 160.667,-18.616 h0.2
Top Assembly:
  text "TOP ASSEMBLY" at -2.398,109.624 h1
Bottom Assembly:
  text "BOTTOM ASSEMBLY" at -2.398,109.624 h1
Top Courtyard:
  text "TOP COURTYARD" at -2.148,109.624 h1
Bottom Courtyard:
  text "BOTTOM COURTYARD" at -2.148,109.624 h1
Top 3D Body:
  text "TOP 3D BODY" at -2.398,109.624 h1
Bottom 3D Body:
  text "BOTTOM 3D BODY" at -2.398,109.624 h1

## Dimensions
0,0 to 11.2,-3.79 on Dimensions
0,0 to -5.1,0.48 on Dimensions
5.2,32.2 to 17.2,32.2 on Dimensions
0,0 to 5.2,32.2 on Dimensions
0,0 to 22.4,0 on Dimensions
0,0 to 5.2,32.2 on Dimensions
0,0 to 0,98.3 on Dimensions
-5.1,0.48 to 27.5,0.48 on Dimensions
11.2,102.146 to 11.2,-3.79 on Dimensions

## Text inside footprints (layer, text, board x,y; h text height)
LED1: Top Assembly "A" at 9.168,100.586 h0.15; Top Assembly "C" at 10.532,100.588 h0.15
LED2: Top Assembly "A" at 13.232,100.214 h0.15 r180; Top Assembly "C" at 11.868,100.212 h0.15 r180
LED8: Bottom Assembly "C" at 13.432,23.812 h0.15 r180; Bottom Assembly "A" at 12.068,23.814 h0.15 r180
LED9: Top Assembly "A" at 11.768,101.686 h0.15; Top Assembly "C" at 13.132,101.688 h0.15
LED10: Top Assembly "A" at 10.632,101.314 h0.15 r180; Top Assembly "C" at 9.268,101.312 h0.15 r180
U29: Bottom Assembly "SMT TAB: ->" at 11.854,84.69 h0.15